# Altium PCB IIS_PCB.PcbDoc (part 3 of 3)
Units mil, origin at the board's own origin, x right, y up, seen from the top; angles counter-clockwise.
Board outline 5785 x 8565 mil, 6 copper layers (Top Layer, PWR Plane, Layer 1, Layer 2, GND Plane, Bottom Layer), stack 39 mil thick; 200 components, 151 nets, 747 pads, 194 vias.
Unrouted connection lines stored in the file: 14.
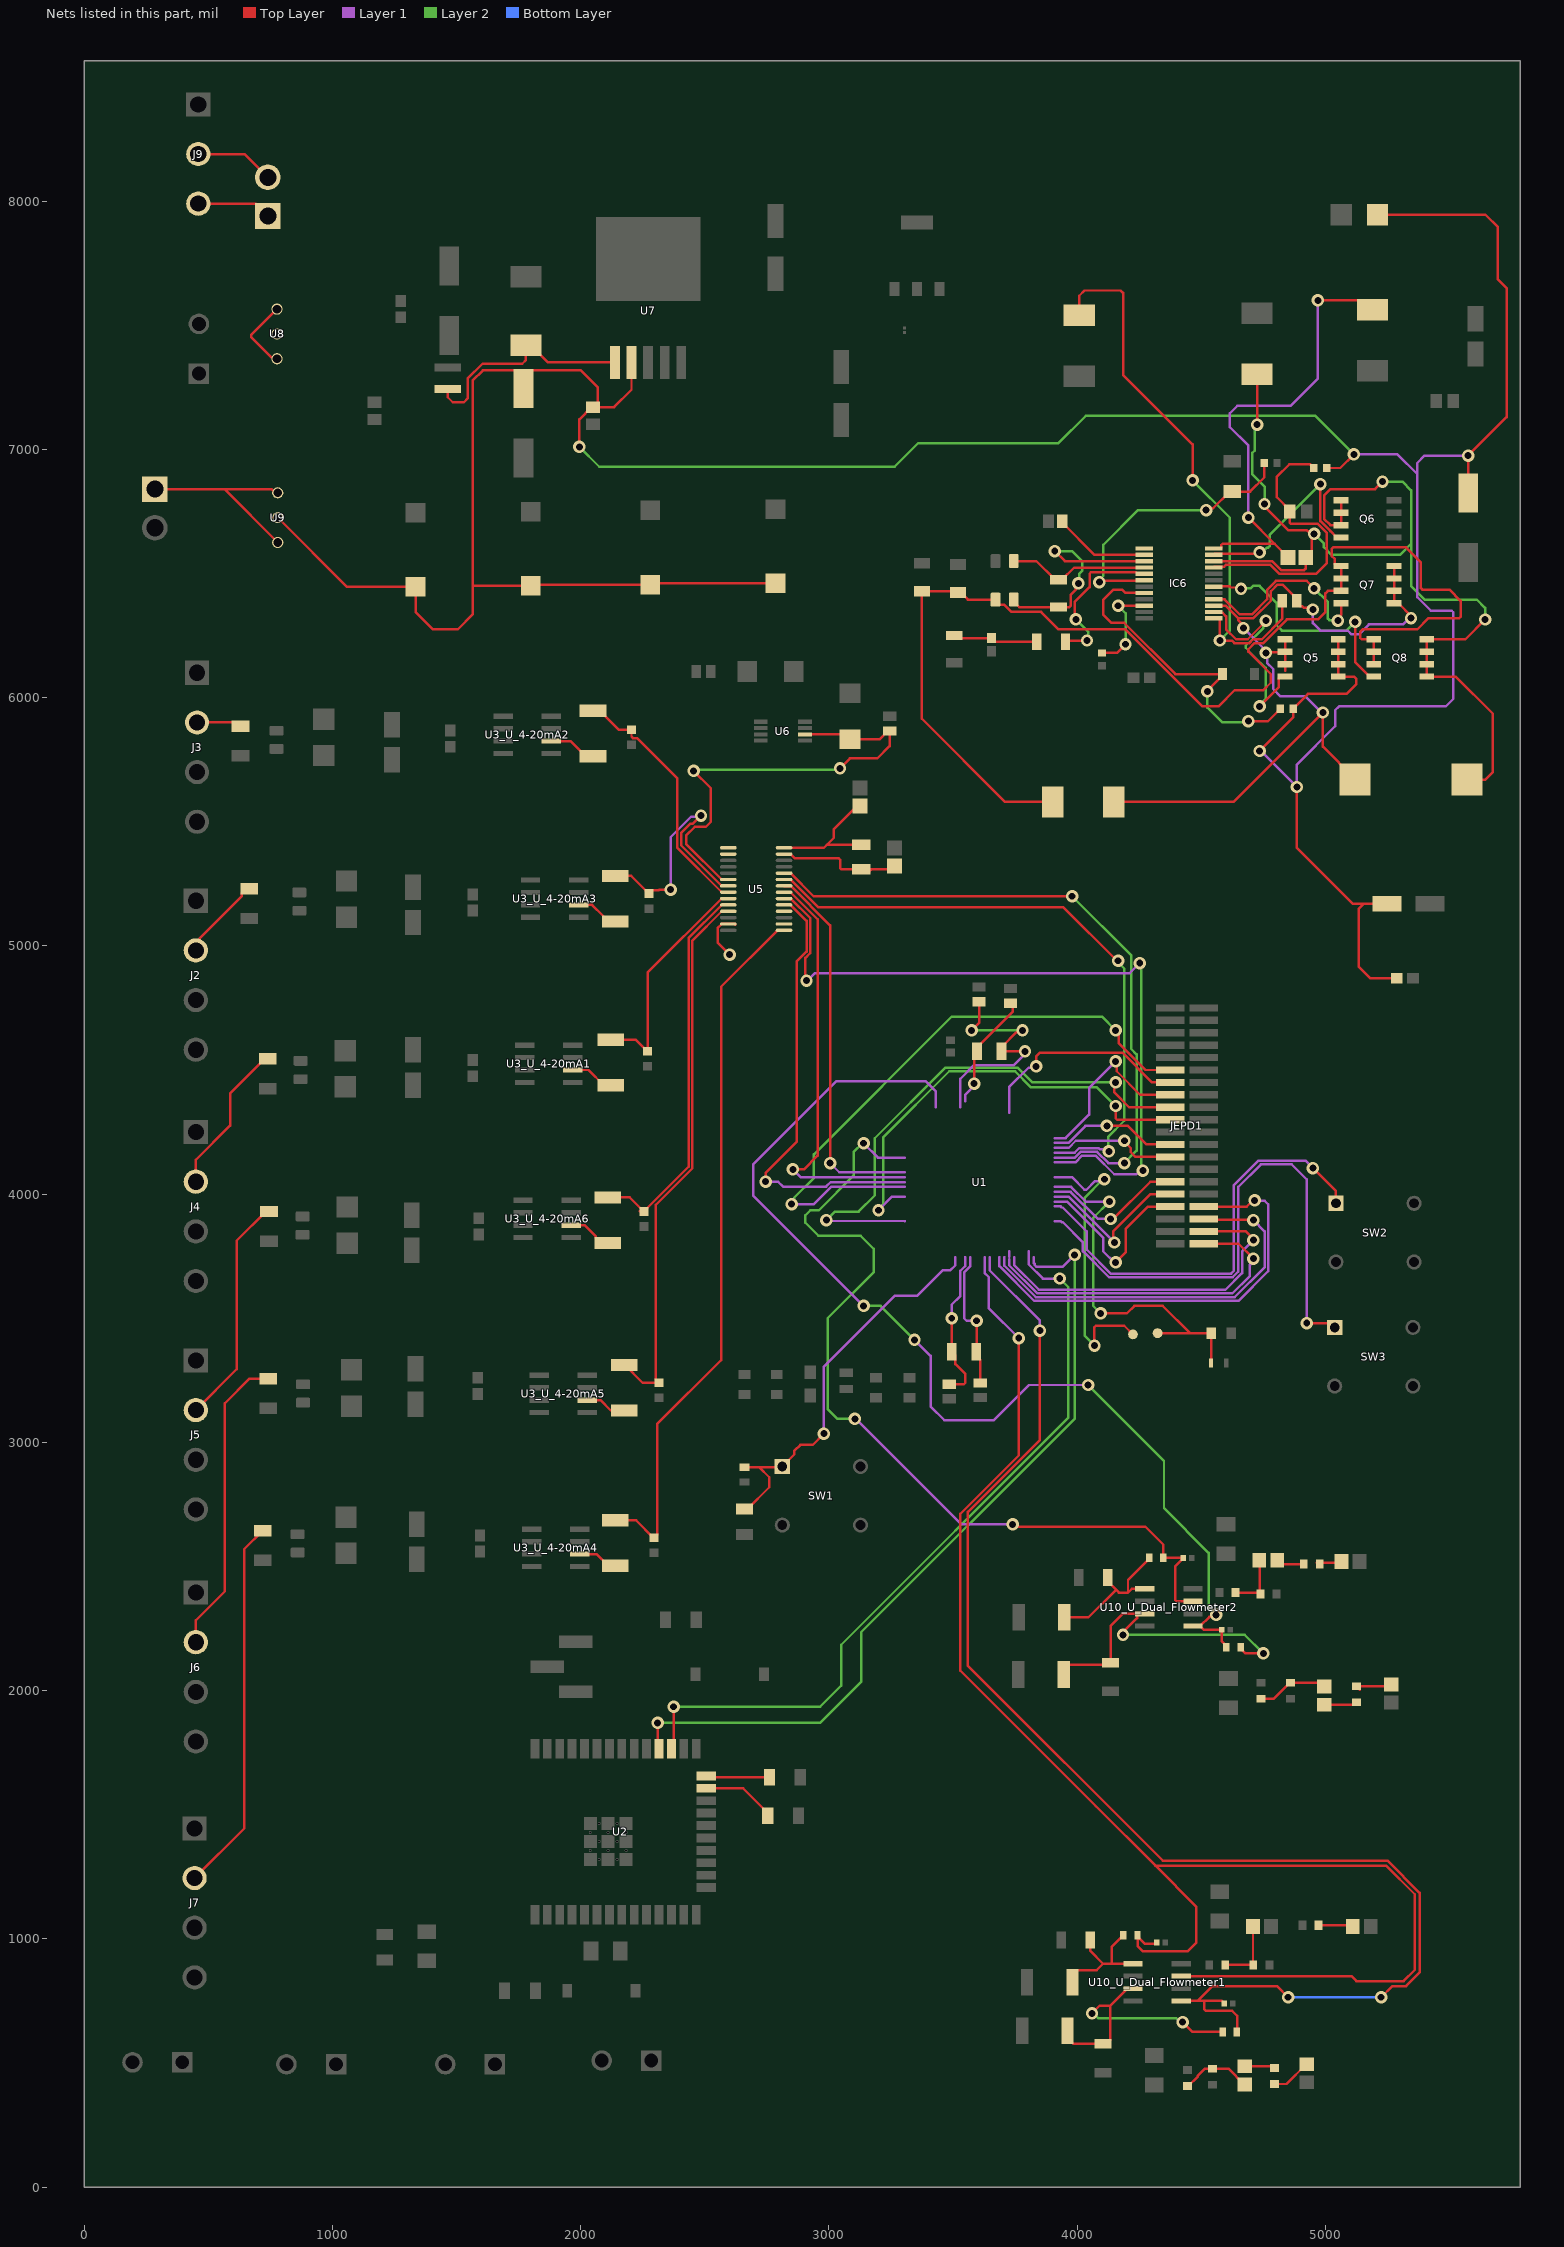
[diagram p7: the nets of this part, all layers, seen from the top]

## Via types
v1: diameter 50, hole 28, Top Layer to Bottom Layer, 194 vias

## Nets (pads, with @x,y where several pads share a name; then routed paths per layer and width w, separated by ;. In a path a pad name is that pad's centre, name@x,y a point inside that pad or via, vN(x,y) a via of type N, cw(c..) or ccw(c..) an arc to the next point about the centre after c; other vN are vias at no path point) (continued)
NetC25_U_Dual_Flowmeter1_2: C25_U_Dual_Flowmeter1.2 R20_U_Dual_Flowmeter1.2 R24_U_Dual_Flowmeter1.1 | length 268.3
  Top Layer w10: R20_U_Dual_Flowmeter1.2@4597.28,895 R24_U_Dual_Flowmeter1.1@4710,895 4708.53,896.47 C25_U_Dual_Flowmeter1.2@4708.53,1050
NetC25_U_Dual_Flowmeter2_1: C25_U_Dual_Flowmeter2.1 R21_U_Dual_Flowmeter2.1 | length 101.7
  Top Layer w10: C25_U_Dual_Flowmeter2.1@4804.65,2510 4899.29,2510 R21_U_Dual_Flowmeter2.1@4904.29,2515
NetC25_U_Dual_Flowmeter2_2: C25_U_Dual_Flowmeter2.2 R20_U_Dual_Flowmeter2.2 R24_U_Dual_Flowmeter2.1 | length 221
  Top Layer w10: R20_U_Dual_Flowmeter2.2@4636.42,2395 4735,2395 R24_U_Dual_Flowmeter2.1@4735.35,2394.65 ; C25_U_Dual_Flowmeter2.2@4735.35,2510 R24_U_Dual_Flowmeter2.1@4735.35,2394.65 ; R24_U_Dual_Flowmeter2.1@4740,2390 R24_U_Dual_Flowmeter2.1@4735.35,2394.65
NetC26_U_Dual_Flowmeter1_1: C26_U_Dual_Flowmeter1.1 R23_U_Dual_Flowmeter1.1 R25_U_Dual_Flowmeter1.1 | length 286.8
  Top Layer w10: R23_U_Dual_Flowmeter1.1@4445,407.72 4447.76,407.72 4486.44,446.4 4486.44,449.15 4514.57,477.28 R25_U_Dual_Flowmeter1.1@4545,477.28 4609.23,477.28 4672.98,413.53 C26_U_Dual_Flowmeter1.1@4675,413.53
NetC26_U_Dual_Flowmeter1_2: C26_U_Dual_Flowmeter1.2 R22_U_Dual_Flowmeter1.2 | length 122.7
  Top Layer w10: C26_U_Dual_Flowmeter1.2@4675,486.47 4788.53,486.47 R22_U_Dual_Flowmeter1.2@4795,480
NetC26_U_Dual_Flowmeter2_1: C26_U_Dual_Flowmeter2.1 R23_U_Dual_Flowmeter2.1 R25_U_Dual_Flowmeter2.1 | length 291
  Top Layer w10: R23_U_Dual_Flowmeter2.1@4738.82,1969.29 4740,1969.29 R23_U_Dual_Flowmeter2.1@4738.94,1970.35 ; R23_U_Dual_Flowmeter2.1@4740,1967.72 4792.68,1967.72 4857.24,2032.28 R25_U_Dual_Flowmeter2.1@4860,2032.28 4979.18,2032.28 C26_U_Dual_Flowmeter2.1@4995,2016.47
NetC26_U_Dual_Flowmeter2_2: C26_U_Dual_Flowmeter2.2 R22_U_Dual_Flowmeter2.2 | length 133.8
  Top Layer w10: C26_U_Dual_Flowmeter2.2@4995,1943.53 5115.82,1943.53 R22_U_Dual_Flowmeter2.2@5125,1952.72
NetC27_U_Dual_Flowmeter1_1: C27_U_Dual_Flowmeter1.1 R21_U_Dual_Flowmeter1.2 | length 139.8
  Top Layer w10: R21_U_Dual_Flowmeter1.2@4972.28,1055 5105,1055 C27_U_Dual_Flowmeter1.1@5110,1050
NetC27_U_Dual_Flowmeter2_1: C27_U_Dual_Flowmeter2.1 R21_U_Dual_Flowmeter2.2 | length 109.3
  Top Layer w10: R21_U_Dual_Flowmeter2.2@4965.71,2515 C27_U_Dual_Flowmeter2.1@5075,2515
NetC28_U_Dual_Flowmeter1_1: C28_U_Dual_Flowmeter1.1 R22_U_Dual_Flowmeter1.1 | length 163
  Top Layer w10: R22_U_Dual_Flowmeter1.1@4795,415.43 4843.42,415.43 4922.98,495 C28_U_Dual_Flowmeter1.1@4925,495
NetC28_U_Dual_Flowmeter2_1: C28_U_Dual_Flowmeter2.1 R22_U_Dual_Flowmeter2.1 | length 162.4
  Top Layer w10: R22_U_Dual_Flowmeter2.1@5125,2015.71 5126.18,2015.71 5138.31,2003.58 R22_U_Dual_Flowmeter2.1@5138.31,2002.76 ; R22_U_Dual_Flowmeter2.1@5125,2017.28 5257.28,2017.28 C28_U_Dual_Flowmeter2.1@5265,2025
NetC44_2: C44.2 IC6.21 R30.2 | length 1164.5
  Top Layer w10: IC6.21@4549.76,6523.98 4552.91,6527.12 4592.12,6527.12 4599.57,6534.57 4723.86,6534.57 4724.29,6535 4778.88,6535 4815.38,6498.51 4962.65,6498.51 5005,6540.86 5005,6664.79 4969.79,6700 4861.96,6700 4856.1,6705.86 4856.1,6756.1 4805,6807.2 4805,6890 4855,6940 4938.2,6940 4941.46,6936.73 4944.06,6936.73 4953.82,6926.97 R30.2@4953.82,6925
NetC45_1: C45.1 IC6.2 | length 388.8
  Top Layer w10: C45.1@3940.18,6710 3940.18,6705.05 4070.07,6575.16 IC6.2@4270.24,6575.16
NetC46_1: C46.1 CR6.2 IC6.24 | length 1900.1
  Top Layer w10: IC6.24@4549.76,6600.75 4576.34,6600.75 4580.2,6604.61 4580.2,6614.14 4586.05,6620 4795.55,6620 ; v1(4690,6725) 4690.55,6725 4795.55,6620 ; C46.1@4849.54,6565 4849.54,6566.02 4795.55,6620 ; v1(4970,7600) 5153,7600 CR6.2@5190,7563
  Layer 1 w10: v1(4690,6725) 4690,7015 4615,7090 4615,7145 4645,7175 4860,7175 4970,7285 v1(4970,7600)
NetC46_2: C46.2 CR7.1 IC6.22 L3.2 Q6.1 Q6.2 Q6.3 Q8.5 Q8.6 Q8.7 Q8.8 | length 4327.5
  Top Layer w10: IC6.22@4549.76,6549.57 4691.65,6549.57 4692.08,6550 4785.1,6550 4821.59,6513.51 4914.61,6513.51 4920.46,6519.37 C46.2@4920.46,6565 4945.08,6589.62 v1@4945.08,6654.92 ; CR7.1@4724.33,7302 4725,7301.33 v1(4725,7100) ; v1(4755,6780) 4755,6770 4850,6675 4925,6675 4929.22,6670.78 4933.39,6670.78 4945.08,6659.09 v1@4945.08,6654.92 ; v1(4955,6660) 4950.17,6660 v1@4945.08,6654.92 ; Q6.1@5063.23,6795 Q6.2@5063.23,6745 Q6.3@5063.23,6695 5020,6695 4995,6720 4995,6815 5020,6840 5200,6840 v1(5230,6870) ; L3.2@5570,5670 5645,5670 5675,5700 5675,5935 5525,6085 Q8.5@5408.54,6085 Q8.6@5408.54,6135 Q8.7@5408.54,6185 Q8.8@5408.54,6235 5564.13,6235 v1(5643.73,6314.6)
  Layer 2 w10: v1(4725,7100) 4717.35,7092.35 4717.35,7076.49 4715,7074.14 4715,6994.59 4705,6984.59 4705,6900 4755,6850 v1(4755,6780) ; v1(4955,6660) 4993.83,6621.17 4993.83,6606.17 5025,6575 5300,6575 5345,6620 ; v1(5230,6870) 5310,6870 5345,6835 5345,6620 ; v1(5643.73,6314.6) 5643.73,6361.27 5610,6395 5400,6395 5345,6450 5345,6620
NetC47_1: C47.1 IC6.3 R31.2 | length 951.2
  Top Layer w10: R31.2@3745,6395 3745,6386.73 3766.85,6364.88 3969.14,6364.88 3975,6370.74 3975,6415 3994.22,6434.22 3994.22,6438.39 4005,6449.18 v1(4005,6460) ; v1(3910,6590) 3950.43,6549.57 IC6.3@4270.24,6549.57
  Layer 2 w10: v1(3910,6590) 3980,6590 4020,6550 4020,6510.41 4009.59,6500 4009.59,6464.59 v1(4005,6460)
NetC47_2: C47.2 IC6.4 R34.2 | length 576.5
  Top Layer w10: R34.2@3745,6550 3835.35,6550 3910.24,6475.12 C47.2@3925,6475.12 3939.76,6475.12 3988.62,6523.98 IC6.4@4270.24,6523.98
NetC48_1: C48.1 CR8.2 IC6.15 L3.1 Q5.1 Q5.2 Q5.3 Q7.5 Q7.6 Q7.7 Q7.8 | length 3399.7
  Top Layer w10: CR8.2@4147.56,5580 4630,5580 v1(4990,5940) 4990,5802.46 5120,5672.46 L3.1@5120,5670 ; IC6.15@4549.76,6370.43 4598.35,6370.43 4648.79,6320 ; v1(4670,6280) 4670,6290.82 4648.79,6312.04 4648.79,6320 ; v1(4760,6180) 4762.5,6182.5 4835.73,6182.5 Q5.2@4838.23,6185 ; 4838.23,6107.8 Q5.3@4838.23,6135 Q5.2@4838.23,6185 ; Q5.1@4838.23,6235 Q5.2@4838.23,6185 ; v1(4950,6355) 4942.35,6362.65 4912.35,6362.65 4906.57,6368.43 4898.7,6368.43 4885,6382.13 C48.1@4885,6390 4885,6397.87 4827.87,6455 4806.92,6455 4780,6428.08 4780,6390 4710,6320 4648.79,6320 ; Q7.8@5276.77,6530 Q7.7@5276.77,6480 Q7.6@5276.77,6430 Q7.5@5276.77,6380 5294,6380 5345,6329 v1(5345,6320)
  Layer 1 w10: v1(4670,6280) 4760,6190 v1(4760,6180) 4765,6175 4765,6140 4790,6115 4790,6035 4820,6005 4920,6005 4985,5940 v1(4990,5940) ; v1(4950,6355) 4950,6300 4980,6270 5090,6270 5105,6255 5135,6255 5175,6295 5313.43,6295 5338.43,6320 v1(5345,6320)
NetC48_2: C48.2 CR9.2 IC6.13 | length 2343.3
  Top Layer w10: CR9.2@4008.66,7540 4008.66,7618.66 4030,7640 4175,7640 4185,7630 4185,7300 4465,7020 v1(4465,6875) ; IC6.13@4549.76,6319.25 4571.14,6319.25 4575,6315.39 v1(4575,6230) 4623.79,6230 4633.79,6220 4693.64,6220 4708.64,6235 4744.19,6235 4825.94,6316.76 C48.2@4825.94,6390
  Layer 2 w10: v1(4465,6875) 4615,6725 4615,6270 v1(4575,6230)
NetC49_1: C49.1 C50.1 R35.2 | length 343.4
  Top Layer w10: C49.1@3505,6250.24 3515.24,6240 C50.1@3655,6240 3655,6237.96 3667.96,6225 R35.2@3836.73,6225
NetCA1_2: CA1.2 CA3.1 U5.6 U6.6 | length 1875.4
  Top Layer w10: v1(2455,5705) 2525,5635 2525,5500 2505,5480 2460,5480 2425,5445 2425,5410.79 2568.43,5267.36 U5.6@2595,5267.36 ; U6.6@2904,5852 3065.09,5852 CA1.2@3085,5832.09 3203.74,5832.09 3237.13,5865.47 CA3.1@3245,5865.47 3245,5805 3195,5755 3085,5755 v1(3045,5715)
  Layer 2 w10: v1(2455,5705) 2460,5710 3040,5710 v1(3045,5715)
NetCA5_2: "YA 1.1" CA5.2 U5.28 | length 545.7
  Top Layer w10: U5.28@2819.41,5395.31 2979.92,5395.31 2991.65,5407.05 ; 3130,5407.05 2991.65,5407.05 ; CA5.2@3130,5580 3020,5470 3020,5435.39 2991.65,5407.05
NetCA6_2: "YA 1.2" CA6.2 U5.27 | length 544.4
  Top Layer w10: U5.27@2819.41,5369.72 2845.98,5369.72 2862.13,5353.58 3038.39,5353.58 3045,5346.98 3045,5313.81 3050.86,5307.95 3153.61,5307.95 3162.4,5299.17 3171.19,5307.95 ; 3130,5308.62 3171.19,5308.62 3191.1,5308.62 3252.2,5308.62 CA6.2@3265,5321.42
NetCF3_U_4-20mA1_1: CF3_U_4-20mA1.1 RF1_U_4-20mA1.2 U5.9 | length 932.5
  Top Layer w10: RF1_U_4-20mA1.2@2122.08,4621.54 2222.99,4621.54 2269.21,4575.31 CF3_U_4-20mA1.1@2270,4575.31 2270,4892.17 2568.43,5190.59 U5.9@2595,5190.59
NetCF3_U_4-20mA2_1: CF3_U_4-20mA2.1 RF1_U_4-20mA2.2 U5.8 | length 1027.5
  Top Layer w10: RF1_U_4-20mA2.2@2050,5946.54 2078.74,5946.54 2154.96,5870.31 CF3_U_4-20mA2.1@2205,5870.31 2205,5843.06 2210.86,5837.2 2227.45,5837.2 2390,5674.65 2390,5394.61 2568.43,5216.18 U5.8@2595,5216.18
NetCF3_U_4-20mA3_1: CF3_U_4-20mA3.1 RF1_U_4-20mA3.2 U5.7 | length 1044.9
  Top Layer w10: RF1_U_4-20mA3.2@2140,5281.54 2204.09,5281.54 2261.69,5223.94 2261.69,5223.15 2274.21,5210.63 CF3_U_4-20mA3.1@2275,5210.63 2287.52,5223.15 2314.31,5223.15 2317.92,5226.77 v1(2362.4,5226.77) ; v1(2485,5525) 2483.79,5525 2449.96,5491.17 2441.17,5491.17 2405,5455 2405,5405.2 2568.43,5241.77 U5.7@2595,5241.77
  Layer 1 w10: v1(2362.4,5226.77) 2362.4,5437.4 2445,5520 2480,5520 v1(2485,5525)
NetCF3_U_4-20mA4_1: CF3_U_4-20mA4.1 RF1_U_4-20mA4.2 U5.15 | length 2864.6
  Top Layer w10: RF1_U_4-20mA4.2@2140,2686.54 2223.31,2686.54 2294.21,2615.63 CF3_U_4-20mA4.1@2295,2615.63 2295.79,2615.63 2308.31,2628.15 2308.31,3073.31 2566.54,3331.54 2566.54,4836.34 2792.83,5062.64 U5.15@2819.41,5062.64
NetCF3_U_4-20mA5_1: CF3_U_4-20mA5.1 RF1_U_4-20mA5.2 U5.11 | length 2217.5
  Top Layer w10: RF1_U_4-20mA5.2@2150,3311.54 2178.74,3311.54 2249.96,3240.31 CF3_U_4-20mA5.1@2315,3240.31 ; CF3_U_4-20mA5.1@2303.31,3252.83 2303.31,3957.41 2450,4104.1 2450,5020.98 2568.43,5139.41 U5.11@2595,5139.41
NetCF3_U_4-20mA6_1: CF3_U_4-20mA6.1 RF1_U_4-20mA6.2 U5.10 | length 1560.6
  Top Layer w10: RF1_U_4-20mA6.2@2110,3986.54 2197.99,3986.54 2254.21,3930.31 CF3_U_4-20mA6.1@2255,3930.31 2255.79,3930.31 2268.31,3942.83 2268.31,3943.62 2435,4110.31 2435,5031.57 2568.43,5165 U5.10@2595,5165 ; CF3_U_4-20mA6.1@2239.21,3930.31 CF3_U_4-20mA6.1@2240,3930.31
NetCH1_2: CH1.2 U1.85 Y2.2 | length 619
  Top Layer w10: CH1.2@3485,3234.53 3544.14,3234.53 3550,3240.39 3550,3275 3509.69,3315.31 3509.69,3350.31 Y2.2@3495,3365 v1(3495,3500)
  Layer 1 w10: v1(3495,3500) 3495,3555 3530,3590 3530,3691.21 3548.46,3709.68 3548.46,3746.26 U1.85@3548.98,3746.77
NetCH2_2: CH2.2 U1.86 Y2.1 | length 568.7
  Top Layer w10: v1(3595,3490) 3595,3366.57 Y2.1@3593.43,3365 3593.43,3349.25 3610,3332.68 CH2.2@3610,3239.53
  Layer 1 w10: U1.86@3568.66,3746.77 3568.66,3708.66 3545,3685 3545,3500 3555,3490 v1(3595,3490)
NetCL1_2: CL1.2 U1.41 Y1.2 | length 455
  Top Layer w10: v1(3585,4445) 3585,4579.17 3740,4734.17 3740,4750
  Layer 1 w10: U1.41@3548.98,4374.13 3548.98,4399.46 3585,4435.48 v1(3585,4445)
NetCL2_2: CL2.2 U1.42 Y1.1 | length 973.5
  Top Layer w10: v1(3575,4660) 3605,4690 CL2.2@3605,4775.47 ; v1(3780,4660) 3772.35,4652.35 3756.6,4652.35 3696.45,4592.2 3696.45,4588.23 3709.69,4575 v1(3790,4575)
  Layer 1 w10: U1.42@3529.29,4350.71 3529.8,4351.22 3529.8,4464.8 3585,4520 3745,4520 3790,4565 v1(3790,4575)
  Layer 2 w10: v1(3575,4660) v1(3780,4660)
NetCR8_1: CR8.1 Q7.1 Q7.2 Q7.3 Q8.1 Q8.2 Q8.3 R31.1 R32.1 R33.1 | length 5049.1
  Top Layer w10: CR8.1@3901.56,5580 3710,5580 3375,5915 R33.1@3375,6428.9 3515,6428.9 R32.1@3520,6423.9 3530.83,6423.9 3559.72,6395 R31.1@3671.38,6395 3671.38,6389.72 3686.06,6375.04 3706.06,6375.04 3736.1,6345 3855,6345 3925,6275 4195,6275 4505,5965 4570,5965 4635,6030 4750,6030 4780,6060 4780,6095 4690,6185 4690,6195 4715,6220 4750.4,6220 4845.4,6315 4970,6315 5000,6345 5000,6420 5010,6430 Q7.3@5063.23,6430 Q7.2@5063.23,6480 Q7.1@5063.23,6530 5046,6530 5038.21,6537.8 5038.21,6557.8 5025,6571 5025,6599.14 5030.86,6605 5325,6605 5385,6545 5385,6440.86 5390.86,6435 5500,6435 5545,6390 5545,6325.86 5539.14,6320 5415,6320 5370,6275 5150,6275 5140,6265 5140,6240.86 5145.86,6235 Q8.1@5195,6235 Q8.2@5195,6185 Q8.3@5195,6135
NetD1_1: D1.1 L1.1 U7.1 | length 921
  Top Layer w10: L1.1@1465,7243.39 1465,7210 1485,7190 1530,7190 1545,7205 1545,7285 1605,7345 1765,7345 1780,7360 D1.1@1780,7420 1798.7,7420 1868.7,7350 U7.1@2138.07,7350
NetD3_1: D3.1 IC6.8 R38.2 | length 1329.4
  Top Layer w10: IC6.8@4270.24,6421.61 4194.46,6421.61 4181.08,6435 4146.21,6435 4105,6393.79 4105,6335 4138.79,6301.21 4190,6301.21 4396.21,6095 D3.1@4585.63,6095 4585.63,6088.9 4525,6028.27 v1(4525,6025) ; v1(4690,5905) 4768.82,5905 4807.09,5943.27 4809.06,5943.27 4818.82,5953.03 R38.2@4818.82,5955
  Layer 2 w10: v1(4525,6025) 4525,5960 4585,5900 4685,5900 v1(4690,5905)
NetF1_U_4-20mA1_1: F1_U_4-20mA1.1 J4.2 | length 622.5
  Top Layer w10: J4.2@450,4050 450,4138.42 587.95,4276.37 587.95,4405.59 727.2,4544.84 F1_U_4-20mA1.1@740,4544.84
NetF1_U_4-20mA2_1: F1_U_4-20mA2.1 J3.2 | length 181.3
  Top Layer w10: J3.2@455,5900 614.84,5900 F1_U_4-20mA2.1@630,5884.84
NetF1_U_4-20mA3_1: F1_U_4-20mA3.1 J2.2 | length 344.7
  Top Layer w10: J2.2@450,4981.72 466.73,4998.45 466.73,5031.57 634.17,5199.02 634.17,5211.81 652.2,5229.84 F1_U_4-20mA3.1@665,5229.84
NetF1_U_4-20mA4_1: F1_U_4-20mA4.1 J7.2 | length 1513.8
  Top Layer w10: J7.2@445,1245 645,1445 645,2569.84 F1_U_4-20mA4.1@720,2644.84
NetF1_U_4-20mA5_1: F1_U_4-20mA5.1 J6.2 | length 1202.2
  Top Layer w10: J6.2@450,2195 450,2283.42 566.49,2399.91 566.49,3157.07 666.25,3256.83 F1_U_4-20mA5.1@717.08,3256.83
NetF1_U_4-20mA6_1: F1_U_4-20mA6.1 J5.2 | length 929.7
  Top Layer w10: J5.2@450,3130 615,3295 615,3812.8 732.2,3930 F1_U_4-20mA6.1@745,3930
NetIC6_1: IC6.1
NetIC6_5: IC6.5 R35.1 | length 633.7
  Top Layer w10: R35.1@3953.27,6225 3958.27,6230 v1(4040,6230) ; v1(3995,6315) 3990,6320 3990,6385 4050,6445 4050,6499.14 4055.86,6505 4237.05,6505 4243.66,6498.39 IC6.5@4270.24,6498.39
  Layer 2 w10: v1(3995,6315) 4045.78,6264.22 4045.78,6235.78 v1(4040,6230)
NetIC6_6: IC6.6 R36.1 R37.2 | length 1159.3
  Top Layer w10: v1(4090,6465) 4095,6470 4267.44,6470 IC6.6@4270.24,6472.8 ; v1(4520,6755) 4527.65,6762.65 4547.81,6762.65 4615.16,6830 R36.1@4625,6830 4696.97,6830 4753.82,6886.85 R37.2@4753.82,6945
  Layer 2 w10: v1(4090,6465) 4090,6475.82 4105.25,6491.08 4105.25,6615.25 4245,6755 v1(4520,6755)
NetIC6_10: IC6.10 R39.1 | length 382.3
  Top Layer w10: R39.1@4100,6180 4160,6180 v1(4195,6215) ; v1(4165,6370) 4165.22,6370.22 4270.02,6370.22 IC6.10@4270.24,6370.43
  Layer 2 w10: v1(4165,6370) 4195,6340 v1(4195,6215)
NetIC6_14: IC6.14 Q5.4 | length 914.1
  Top Layer w10: IC6.14@4549.76,6344.84 4553.62,6340.98 4586.47,6340.98 4600,6327.45 4600,6275 4640,6235 4687.43,6235 4760,6307.57 v1(4760,6310) ; v1(4735,5965) 4813.21,6043.21 4813.21,6077.2 4821,6085 Q5.4@4838.23,6085
  Layer 2 w10: v1(4735,5965) 4735,5971.57 4760,5996.57 4760,6120 4679.14,6200.86 4679.14,6209.14 4749.22,6279.22 4749.22,6288.39 4760,6299.18 v1(4760,6310)
NetIC6_16: IC6.16 Q7.4 | length 784.6
  Top Layer w10: IC6.16@4549.76,6396.02 4550.13,6395.66 4594.34,6395.66 4655,6335 4703.79,6335 4765,6396.21 4765,6434.29 4800.71,6470 4925,6470 v1(4955,6440) ; v1(5050,6310) 5050,6320.82 5063.23,6334.05 Q7.4@5063.23,6380
  Layer 2 w10: v1(4955,6440) 5010,6385 5010,6318.28 5015.86,6312.43 5047.57,6312.43 v1(5050,6310)
NetIC6_18: IC6.18 Q8.4 | length 983.3
  Top Layer w10: IC6.18@4549.76,6447.2 4551.16,6448.6 4615,6448.6 4620,6443.6 4654.19,6443.6 v1(4660,6437.8) ; v1(5120,6305) 5120,6142.78 5177.78,6085 Q8.4@5195,6085
  Layer 2 w10: v1(4660,6437.8) 4663.19,6440.99 4700,6440.99 4709.01,6450 4735,6450 4803.42,6381.58 4803.42,6291.58 4825,6270 5085,6270 v1(5120,6305)
NetIC6_23: IC6.23 Q6.4 | length 834.1
  Top Layer w10: IC6.23@4549.76,6575.16 4553.62,6579.02 4729.02,6579.02 v1(4735,6585) ; v1(4980,6860) 4980,6711 5020,6671 5046,6645 Q6.4@5063.23,6645
  Layer 2 w10: v1(4735,6585) 4745.82,6585 4765.08,6604.26 4769.26,6604.26 4776.33,6611.33 4776.33,6656.33 v1(4980,6860)
NetJ8_1: J8.1 J9.3 | length 300.6
  Top Layer w10: J9.3@460,7989.68 690.32,7989.68 J8.1@740,7940
NetJ8_2: J8.2 J9.2 | length 318.8
  Top Layer w10: J9.2@460,8189.68 646.23,8189.68 J8.2@740,8095.91
NetJ10_1: J10.1 U9.1 U9.3 | length 819.4
  Top Layer w10: J10.1@275,6854.09 J10.1@285,6844.09 ; J10.1@285,6840 565,6840 ; U9.3@780,6625 565,6840 ; U9.1@780,6825 770.53,6825 755.53,6840 565,6840
NetJEPD1_11: JEPD1.11 U1.64 | length 2469.3
  Top Layer w10: v1(4155,4660) 4155,4649.18 4166.81,4637.37 4166.81,4608.19 4275,4500 JEPD1.11@4344.96,4500
  Layer 1 w10: v1(2850,3960) 2940,3960 3009.06,4029.06 U1.64@3306.06,4029.06
  Layer 2 w10: v1(2850,3960) 2850,3970.82 2860.78,3981.61 2860.78,3985.78 2940,4065 2940,4160 3495,4715 4100,4715 v1(4155,4660)
NetJEPD1_13: JEPD1.13 U1.32 | length 853.3
  Top Layer w10: v1(3835,4515) 3835,4555 3850,4570 4182.05,4570 4302.05,4450 JEPD1.13@4344.96,4450
  Layer 1 w10: U1.32@3726.14,4327.28 U1.32@3726.14,4350.71 3726.14,4431.14 3804.22,4509.22 3829.22,4509.22 v1(3835,4515)
NetJEPD1_15: JEPD1.15 U1.22 | length 703
  Top Layer w10: v1(4155,4535) 4159.5,4530.5 4159.5,4495 4254.5,4400 JEPD1.15@4344.96,4400
  Layer 1 w10: U1.22@3910,4225.91 3953.94,4225.91 4048.14,4320.11 4048.14,4428.14 v1(4155,4535)
NetJEPD1_17: JEPD1.17 U1.71 | length 2159.1
  Top Layer w10: v1(4155,4450) 4150,4445 4150,4409.5 4209.5,4350 JEPD1.17@4344.96,4350
  Layer 1 w10: v1(2990,3895) 2993.23,3891.77 3305.55,3891.77 U1.71@3306.06,3891.26
  Layer 2 w10: v1(2990,3895) 3025,3930 3120,3930 3185,3995 3185,4225 3470,4510 3760,4510 3820,4450 v1(4155,4450)
NetJEPD1_19: JEPD1.19 U1.66 | length 1776.3
  Top Layer w10: v1(4155,4355) 4155,4305.86 4160.86,4300 JEPD1.19@4344.96,4300
  Layer 1 w10: v1(3200,3935) 3254.69,3989.69 U1.66@3306.06,3989.69
  Layer 2 w10: v1(3200,3935) 3200,3940.86 3220,3960.86 3220,4230 3485,4495 3750,4495 3815,4430 4080,4430 v1(4155,4355)
NetJEPD1_23: JEPD1.23 U1.21 | length 494.5
  Top Layer w10: v1(4120,4275) 4205,4275 4280,4200 JEPD1.23@4344.96,4200
  Layer 1 w10: U1.21@3910,4206.22 3964.64,4206.22 4033.42,4275 v1(4120,4275)
NetJEPD1_25: JEPD1.25 U1.20 | length 485.4
  Top Layer w10: v1(4190,4215) 4190,4211.09 4216.33,4184.76 4216.33,4168.67 4235,4150 JEPD1.25@4344.96,4150
  Layer 1 w10: U1.20@3910,4186.54 3966.17,4186.54 3994.63,4215 v1(4190,4215)
NetJEPD1_29: JEPD1.29 U1.11 | length 542.4
  Top Layer w10: v1(4135,3900) 4145,3900 4295,4050 JEPD1.29@4344.96,4050
  Layer 1 w10: U1.11@3910,4009.37 3974.16,4009.37 4083.53,3900 v1(4135,3900)
NetJEPD1_31: JEPD1.31 U1.10 | length 625.7
  Top Layer w10: v1(4150,3805) 4145,3810 4145,3850 4295,4000 JEPD1.31@4344.96,4000
  Layer 1 w10: U1.10@3910,3989.69 3965.31,3989.69 v1(4150,3805)
NetJEPD1_33: JEPD1.33 U1.9 | length 717.5
  Top Layer w10: v1(4155,3725) 4195,3765 4195,3860 4285,3950 JEPD1.33@4344.96,3950
  Layer 1 w10: U1.9@3910,3970 3960,3970 4105,3825 4105,3770 4150,3725 v1(4155,3725)
NetJEPD1_34: JEPD1.34 U1.92 | length 1803
  Top Layer w10: JEPD1.34@4480,3950 4683.43,3950 4708.43,3975 v1(4715,3975)
  Layer 1 w10: U1.92@3686.77,3746.77 3687.28,3746.26 3687.28,3710.09 3827.38,3570 4650,3570 4770,3690 4770,3958.43 4755,3973.43 4716.57,3973.43 v1(4715,3975)
NetJEPD1_36: JEPD1.36 U1.93 | length 1626.3
  Top Layer w10: JEPD1.36@4480,3900 4482.5,3897.5 4707.5,3897.5 v1(4710,3895)
  Layer 1 w10: U1.93@3706.46,3746.77 3706.97,3746.26 3706.97,3711.62 3833.59,3585 4635,3585 4755,3705 4755,3850 v1(4710,3895)
NetJEPD1_38: JEPD1.38 U1.95 | length 1418.7
  Top Layer w10: JEPD1.38@4480,3850 4680,3850 4710,3820 v1(4710,3815)
  Layer 1 w10: U1.95@3745.83,3746.77 3746.34,3746.26 3746.34,3714.68 3846.02,3615 4597.43,3615 4664.28,3681.85 4664.28,3769.28 v1(4710,3815)
NetR4_1: R4.1 U2.24 | length 257.8
  Top Layer w10: U2.24@2505.22,1656.61 2510.57,1651.26 R4.1@2760.85,1651.26
NetR5_1: R5.1 U2.23 | length 300.7
  Top Layer w10: U2.23@2505.22,1606.61 2654.31,1606.61 2753.84,1507.09 R5.1@2753.84,1496.26
NetR16_U_Dual_Flowmeter1_2: R16_U_Dual_Flowmeter1.2 R18_U_Dual_Flowmeter1.2 R19_U_Dual_Flowmeter1.1 U10_U_Dual_Flowmeter1.1 | length 542
  Top Layer w10: R18_U_Dual_Flowmeter1.2@3981.54,825 3981.54,853.74 4001.34,873.54 4078.54,873.54 4105,900 ; R16_U_Dual_Flowmeter1.2@4053.27,995 4053.27,951.73 4105,900 ; R19_U_Dual_Flowmeter1.1@4186.46,1015 4140,968.54 4140,900 ; U10_U_Dual_Flowmeter1.1@4225,900 4140,900 ; 4105,900 4140,900
NetR16_U_Dual_Flowmeter2_2: R16_U_Dual_Flowmeter2.2 R18_U_Dual_Flowmeter2.2 R19_U_Dual_Flowmeter2.1 U10_U_Dual_Flowmeter2.1 | length 617.6
  Top Layer w10: R18_U_Dual_Flowmeter2.2@3948.07,2295 4045,2295 4155.95,2405.95 ; R16_U_Dual_Flowmeter2.2@4123.27,2440.04 4156.65,2406.65 4168.31,2395 4205,2395 ; R16_U_Dual_Flowmeter2.2@4123.27,2441.04 R16_U_Dual_Flowmeter2.2@4123.27,2455 ; U10_U_Dual_Flowmeter2.1@4273,2410 4220,2410 4205,2395 ; R19_U_Dual_Flowmeter2.1@4290,2535 4290,2530.08 4205,2445.08 4205,2395
NetR17_U_Dual_Flowmeter1_2: R17_U_Dual_Flowmeter1.2 R19_U_Dual_Flowmeter1.2 U1.89 U10_U_Dual_Flowmeter1.7 | length 6071.1
  Top Layer w10: v1(3765,3420) 3765,2947.5 3530,2712.5 3530,2080 4075,1535 4315,1295 ; R19_U_Dual_Flowmeter1.2@4243.54,1015 R19_U_Dual_Flowmeter1.2@4243.54,1010.08 ; R17_U_Dual_Flowmeter1.2@4320.98,985 4315.98,980 4273.62,980 R19_U_Dual_Flowmeter1.2@4243.54,1010.08 ; U10_U_Dual_Flowmeter1.7@4419,850 5105,850 5125,830 5315,830 5360,875 5360,1180 5245,1295 4315,1295 ; R19_U_Dual_Flowmeter1.2@4243.54,1010.08 4243.54,971.46 4265,950 4445,950 4480.86,985.86 4480.86,1129.14 4315,1295
  Layer 1 w10: U1.89@3627.72,3746.77 3627.72,3682.28 3645,3665 3645,3540 v1(3765,3420)
NetR17_U_Dual_Flowmeter2_2: R17_U_Dual_Flowmeter2.2 R19_U_Dual_Flowmeter2.2 U1.58 U10_U_Dual_Flowmeter2.7 | length 3639.8
  Top Layer w10: v1(3740,2670) 3747.65,2662.35 3763.51,2662.35 3765.86,2660 4275,2660 4347.09,2587.91 R19_U_Dual_Flowmeter2.2@4347.09,2535 R17_U_Dual_Flowmeter2.2@4427.99,2535 4427.99,2533.82 4395,2500.83 4395,2365.86 4400.86,2360 U10_U_Dual_Flowmeter2.7@4467,2360
  Layer 1 w10: v1(3105,3095) 3110,3095 3535,2670 v1(3740,2670) ; v1(3140,4205) 3197.83,4147.17 U1.58@3306.06,4147.17
  Layer 2 w10: v1(3105,3095) 3035,3095 2995,3135 2995,3500 3180,3685 3180,3780 3127.5,3832.5 2958,3832.5 2905,3885.5 2905,3914.5 2925.5,3935 2959.5,3935 3100,4075.5 3100,4170 3135,4205 v1(3140,4205)
NetR26_U_Dual_Flowmeter1_1: R26_U_Dual_Flowmeter1.1 R27_U_Dual_Flowmeter1.2 R29_U_Dual_Flowmeter1.2 U10_U_Dual_Flowmeter1.3 | length 1122.8
  Top Layer w10: R26_U_Dual_Flowmeter1.1@3961.54,630 3961.54,601.26 3984.53,578.27 R29_U_Dual_Flowmeter1.2@4105,578.27 4119.96,578.27 4134.06,592.36 4134.06,731.1 ; v1(4060,700) 4091.1,731.1 4134.06,731.1 ; U10_U_Dual_Flowmeter1.3@4225,800 4202.95,800 4134.06,731.1 ; v1(4425,665) 4465,625 R27_U_Dual_Flowmeter1.2@4590,625
  Layer 2 w10: v1(4060,700) 4065.86,700 4085.86,680 4399.18,680 4414.18,665 v1(4425,665)
NetR26_U_Dual_Flowmeter2_1: R26_U_Dual_Flowmeter2.1 R27_U_Dual_Flowmeter2.2 R29_U_Dual_Flowmeter2.2 U10_U_Dual_Flowmeter2.3 | length 1308.9
  Top Layer w10: R26_U_Dual_Flowmeter2.1@3946.54,2105 4126.73,2105 R29_U_Dual_Flowmeter2.2@4135,2113.27 4135,2260 4185,2310 U10_U_Dual_Flowmeter2.3@4247.28,2310 ; v1(4185,2225) 4185,2235.64 4241.78,2292.43 4241.78,2304.5 U10_U_Dual_Flowmeter2.3@4247.28,2310 ; U10_U_Dual_Flowmeter2.3@4273,2310 U10_U_Dual_Flowmeter2.3@4247.28,2310 ; R27_U_Dual_Flowmeter2.2@4658.54,2175 4658.54,2170.08 4678.62,2150 v1(4750,2150)
  Layer 2 w10: v1(4185,2225) 4675,2225 v1(4750,2150)
NetR27_U_Dual_Flowmeter1_1: R27_U_Dual_Flowmeter1.1 R28_U_Dual_Flowmeter1.2 U1.90 U10_U_Dual_Flowmeter1.5 | length 5771.6
  Top Layer w10: v1(3850,3450) 3850,3010 3560,2720 3560,2100 4345,1315 5250,1315 5380,1185 5380,865 5325,810 5270,810 v1(5225,765) ; U10_U_Dual_Flowmeter1.5@4419,750 4485,750 ; R28_U_Dual_Flowmeter1.2@4592.99,740 4592.99,741.18 4587.36,746.81 4586.18,746.81 4582.99,750 4512.99,750 ; R27_U_Dual_Flowmeter1.1@4645,623.8 4645,690 4625,710 4518.85,710 4512.99,715.86 4512.99,750 ; v1(4850,765) 4805,810 4545,810 4485,750 ; 4485,750 4512.99,750
  Layer 1 w10: U1.90@3647.4,3746.77 3647.4,3693.38 3850,3490.79 v1(3850,3450)
  Bottom Layer w10: v1(4850,765) v1(5225,765)
NetR27_U_Dual_Flowmeter2_1: R27_U_Dual_Flowmeter2.1 R28_U_Dual_Flowmeter2.2 U1.47 U10_U_Dual_Flowmeter2.5 | length 4404.3
  Top Layer w10: U10_U_Dual_Flowmeter2.5@4467,2260 U10_U_Dual_Flowmeter2.5@4495.5,2260 ; v1(4560,2305) 4552.35,2297.35 4532.85,2297.35 U10_U_Dual_Flowmeter2.5@4495.5,2260 ; R27_U_Dual_Flowmeter2.1@4601.46,2175 4601.46,2179.92 4582.99,2198.39 R28_U_Dual_Flowmeter2.2@4582.99,2245 4510.5,2245 U10_U_Dual_Flowmeter2.5@4495.5,2260
  Layer 1 w10: v1(3140,3550) 2695,3995 2695,4120 3030,4455 3390,4455 3430.87,4414.13 U1.47@3430.87,4350.71 ; v1(3345.05,3413.18) 3410,3348.23 3410,3145 3465,3090 3665,3090 3806.12,3231.12 v1(4044.18,3231.12)
  Layer 2 w10: v1(3140,3550) 3208.23,3550 v1(3345.05,3413.18) ; v1(4044.18,3231.12) 4350,2925.3 4350,2735 4530,2555 4530,2335 v1(4560,2305)
NetRF1_U_4-20mA1_1: RF1_U_4-20mA1.1 U3_U_4-20mA1.6 | length 178.5
  Top Layer w10: U3_U_4-20mA1.6@1969.08,4500 2031.8,4500 2093.34,4438.46 RF1_U_4-20mA1.1@2122.08,4438.46
NetRF1_U_4-20mA2_1: RF1_U_4-20mA2.1 U3_U_4-20mA2.6 | length 193.5
  Top Layer w10: U3_U_4-20mA2.6@1882,5825 1959.72,5825 2021.26,5763.46 RF1_U_4-20mA2.1@2050,5763.46
NetRF1_U_4-20mA3_1: RF1_U_4-20mA3.1 U3_U_4-20mA3.6 | length 176.3
  Top Layer w10: U3_U_4-20mA3.6@1992,5165 2046,5165 2091.46,5119.54 2091.46,5118.27 2111.26,5098.46 RF1_U_4-20mA3.1@2140,5098.46
NetRF1_U_4-20mA4_1: RF1_U_4-20mA4.1 U3_U_4-20mA4.6 | length 162.3
  Top Layer w10: U3_U_4-20mA4.6@1997,2550 2064.72,2550 2111.26,2503.46 RF1_U_4-20mA4.1@2140,2503.46
NetRF1_U_4-20mA5_1: RF1_U_4-20mA5.1 U3_U_4-20mA5.6 | length 165.2
  Top Layer w10: U3_U_4-20mA5.6@2002,3170 2079.72,3170 2121.26,3128.46 RF1_U_4-20mA5.1@2150,3128.46
NetRF1_U_4-20mA6_1: RF1_U_4-20mA6.1 U3_U_4-20mA6.6 | length 181.3
  Top Layer w10: U3_U_4-20mA6.6@1962,3875 2016,3875 2061.46,3829.54 2061.46,3823.27 2081.26,3803.46 RF1_U_4-20mA6.1@2110,3803.46
NetSW2_a: SW2.a U1.8 | length 1778.2
  Top Layer w10: v1(4950,4105) 5042.52,4012.48 SW2.a@5042.52,3963.11
  Layer 1 w10: U1.8@3910,3950.31 3933.43,3950.31 3937.6,3946.14 3942.27,3946.14 4038.64,3849.78 4038.64,3776.36 4135,3680 4620,3680 4631.21,3691.21 4631.21,4036.21 4730,4135 4920,4135 v1(4950,4105)
NetSW3_a: SW3.a U1.5 | length 2241.9
  Top Layer w10: v1(4925,3480) 5020.63,3480 SW3.a@5037.52,3463.11
  Layer 1 w10: U1.5@3910,3891.26 3933.43,3891.26 3937.6,3887.09 3942.27,3887.09 4023.64,3805.72 4023.64,3770.86 4025,3769.5 4025,3768.79 4128.79,3665 4626.21,3665 4649.28,3688.07 4649.28,4029.28 4740,4120 4864.42,4120 4925,4059.42 v1(4925,3480)
NetU1_1: U1.1
NetU1_2: U1.2
NetU1_17: U1.17 U5.20 | length 3015.1
  Top Layer w10: U5.20@2819.41,5190.59 2845.98,5190.59 2925,5111.57 2925,4970.86 2905.82,4951.68 2905.82,4864.18 v1(2910,4860)
  Layer 1 w10: v1(2910,4860) 2913.64,4860 2943.64,4890 4212.1,4890 v1(4252.33,4930.23) ; U1.17@3910,4127.48 3992.98,4127.48 4020.5,4155 4074.5,4155 4149.5,4080 4239.18,4080 4254.18,4095 v1(4265,4095)
  Layer 2 w10: v1(4252.33,4930.23) 4258.66,4923.89 4258.66,4101.34 v1(4265,4095)
NetU1_18: U1.18 U5.24 | length 2711.6
  Top Layer w10: U5.24@2820.13,5292.23 U5.24@2819.41,5292.95 2845.98,5292.95 2938.94,5200 v1(3980,5200)
  Layer 1 w10: U1.18@3910,4147.17 3991.45,4147.17 4014.29,4170 4080.71,4170 4125.71,4125 v1(4190,4125)
  Layer 2 w10: v1(3980,5200) 4217.33,4962.67 4217.33,4585.43 4240,4562.75 4240,4175 v1(4190,4125)
NetU1_19: U1.19 U5.23 | length 2517.2
  Top Layer w10: U5.23@2819.41,5267.36 2845.98,5267.36 2958.35,5155 3945,5155 4160,4940 v1(4165,4940)
  Layer 1 w10: U1.19@3910,4166.85 3989.93,4166.85 4008.08,4185 4086.92,4185 4091.67,4180.26 4119.95,4180.26 v1(4127.6,4172.6)
  Layer 2 w10: v1(4127.6,4172.6) 4125,4175.21 4125,4230.5 4190,4295.5 4190,4908.43 4165,4933.43 v1(4165,4940)
NetU1_24: U1.24
NetU1_25: U1.25
NetU1_27: U1.27
NetU1_30: U1.30
NetU1_46: U1.46
NetU1_48: U1.48
NetU1_49: U1.49
NetU1_50: U1.50
NetU1_51: U1.51
NetU1_52: U1.52
NetU1_53: U1.53
NetU1_61: U1.61 U5.22 | length 1525.6
  Top Layer w10: U5.22@2819.41,5241.77 2820.64,5240.54 2847.22,5240.54 3005,5082.76 v1(3005,4125)
  Layer 1 w10: v1(3005,4125) 3041.89,4088.11 U1.61@3306.06,4088.11
NetU1_62: U1.62 U5.21 | length 1719.8
  Top Layer w10: U5.21@2819.41,5216.18 2845.98,5216.18 2955,5107.17 2955,4155 2900,4100 v1(2855,4100)
  Layer 1 w10: v1(2855,4100) 2886.57,4068.43 U1.62@3306.06,4068.43
NetU1_63: U1.63 U5.19 | length 1813.5
  Top Layer w10: v1(2745,4050) 2745,4085 2870,4210 2870,4937.07 2910,4977.07 2910,5100.98 2845.98,5165 U5.19@2819.41,5165
  Layer 1 w10: v1(2745,4050) 2795.82,4050 2815.82,4030 2988.79,4030 3007.53,4048.74 U1.63@3306.06,4048.74
NetU1_76: U1.76
NetU1_77: U1.77
NetU1_88: U1.88
NetU1_97: U1.97
NetU1_98: U1.98 U2.27 | length 3136
  Top Layer w10: U2.27@2360.85,1771.26 U2.27@2365.85,1766.26 2375,1775.41 v1(2375,1935)
  Layer 1 w10: U1.98@3804.88,3770.2 U1.98@3804.88,3746.77 3805.39,3746.26 3805.39,3716.63 3862.03,3660 v1(3930,3660) v1@3937.65,3667.65
  Layer 2 w10: v1(2375,1935) 2965,1935 3050,2020 3050,2185 3965,3100 3965,3625 v1(3930,3660)
NetU1_99: U1.99 U2.28 | length 3288.3
  Top Layer w10: v1(2310,1870) 2310,1772.11 U2.28@2315.85,1766.26
  Layer 1 w10: U1.99@3824.57,3746.77 3824.57,3723.35 3828.74,3719.17 3828.74,3714.5 3835.41,3707.83 3942.83,3707.83 v1(3990,3755)
  Layer 2 w10: v1(2310,1870) 2965,1870 3130,2035 3130,2235 3990,3095 v1(3990,3755)
NetU1_100: U1.100
NetU5_1: U5.1
NetU5_2: U5.2
NetU5_13: U5.13 | length 207.2
  Top Layer w10: v1(2600,4965) 2551.54,5013.46 2551.54,5071.34 2568.43,5088.23 U5.13@2595,5088.23 2620.55,5088.23 2623.46,5085.32 U5.13@2623.46,5084.63
NetU5_16: U5.16
NetU5_18: U5.18
NetU8_1: U8.1 U8.3 | length 296.7
  Top Layer w10: U8.3@777.18,7365 770.48,7371.7 753.2,7371.7 672.68,7452.22 672.68,7460.5 U8.1@777.18,7565
RST: C6.2 R1.1 SW1.a U1.83 | length 1651.3
  Top Layer w10: C6.2@2631.54,2733.81 2635.02,2730.32 C6.2@2635.02,2716.18 ; C6.2@2648.19,2731.18 C6.2@2660,2731.18 2671.81,2731.18 2760,2819.37 2760,2859.53 2720,2899.53 ; R1.1@2659.53,2900 R1.1@2660,2899.53 2720,2899.53 ; v1(2980,3035) 2935,2990 2885,2990 2861.52,2966.52 2861.52,2952.11 SW1.a@2812.52,2903.11 2808.94,2899.53 2720,2899.53
  Layer 1 w10: v1(2980,3035) 2980,3305 3265,3590 3355,3590 3457.83,3692.83 3488.66,3692.83 3509.09,3713.27 3509.09,3746.26 U1.83@3509.61,3746.77
TMS_SWDIO: JEPD1.40 U1.94 | length 1424.1
  Top Layer w10: JEPD1.40@4480,3800 4650,3800 v1(4710,3740)
  Layer 1 w10: U1.94@3726.14,3738.4 3726.65,3737.88 3726.65,3713.15 3839.8,3600 4624.97,3600 4695.83,3670.86 4695.83,3715.01 4710,3729.18 v1(4710,3740) ; U1.94@3726.14,3746.77 U1.94@3726.14,3770.2
VCORE: "L VSW1.2" CU1.1 CU2.2 U1.12 | length 1486.9
  Top Layer w10: v1(4095,3520) 4200.37,3520 4230.37,3550 4344.92,3550 4455,3439.92 ; 4324.41,3439.92 4455,3439.92 ; CU2.2@4539.49,3320 4539.49,3439.84 4539.57,3439.92 4455,3439.92
  Layer 1 w10: U1.12@3910,4029.06 3975.69,4029.06 4034.75,3970 v1(4130,3970)
  Layer 2 w10: v1(4095,3520) 4065,3550 4065,3905 v1(4130,3970)
Vin: C16.1 C17.1 C18.1 C24.1 C31.1 C32.1 C33.1 C34.1 C41.2 CR5.1 Q5.5 Q5.6 Q5.7 Q5.8 R30.1 R38.1 U7.2 U8.2 U9.2 | length 14049.3
  Top Layer w10: U9.2@780,6725 1059.21,6445.79 C34.1@1335,6445.79 1335,6345 1405,6275 1505,6275 1565,6335 1565,6450.39 ; C17.1@1770,7244.76 C17.1@1770,7284.13 ; v1(1995,7010) 1995,7121.1 2043.9,7170 C16.1@2050,7170 ; U7.2@2205,7350 2205,7240 2135,7170 C16.1@2050,7170 ; C31.1@2785,6460.39 2285,6460.39 C32.1@2280,6455.39 1805,6455.39 C33.1@1800,6450.39 1565,6450.39 ; v1(4735,5785) 4870,5920 R38.1@4870,5955 4870,5956.97 4879.76,5966.73 4881.73,5966.73 4930,6015 5085,6015 5125,6055 5125,6075 5115,6085 Q5.5@5051.77,6085 Q5.6@5051.77,6135 Q5.7@5051.77,6185 Q5.8@5051.77,6235 ; v1(4885,5640) 4885,5395 5110,5170 5155,5170 ; R30.1@5005,6925 5060,6925 v1(5115,6980) ; CR5.1@5210,7945 5645,7945 5695,7895 5695,7685 5730,7650 5730,7130 v1(5575,6975) C41.2@5575,6824.53 ; C24.1@5248.39,5170 5155,5170 ; C18.1@5287.49,4870 5180,4870 5135,4915 5135,5150 5155,5170 ; 1565,6450.39 1565,7277.01 1606.5,7318.5 1735.63,7318.5 C17.1@1770,7284.13 ; C17.1@1770,7284.13 1804.37,7318.5 2001.5,7318.5 2070,7250 2070,7187.83 2052.17,7170 C16.1@2050,7170
  Layer 1 w10: v1(4735,5785) 4740,5785 v1(4885,5640) 4885,5730 5040,5885 5040,5950 5055,5965 5485,5965 5515,5995 5515,6344.14 5509.14,6350 5425,6350 5370,6405 5370,6900 ; v1(5115,6980) 5290,6980 5370,6900 ; v1(5575,6975) 5400,6975 5370,6945 5370,6900
  Layer 2 w10: v1(1995,7010) 2075,6930 3265,6930 3360,7025 3925,7025 4035,7135 4960,7135 v1(5115,6980)
VSW: "L VSW1.1" U1.14 | length 1207.2
  Top Layer w10: v1(4070,3390) 4070,3464.14 4075.86,3470 4190,3470 4225,3435
  Layer 1 w10: U1.14@3910,4068.43 3978.75,4068.43 4029.44,4017.73 4037.73,4017.73 4072.35,4052.35 4102.35,4052.35 v1(4110,4060)
  Layer 2 w10: v1(4070,3390) 4030,3430 4030,3985 4105,4060 v1(4110,4060)
pads on no net: "JP 1.1" "JP 1.2" J11.1 J11.2 J12.1 J12.2 J13.1 J13.2 J14.1 J14.2 JEPD1.01 JEPD1.02 JEPD1.03 JEPD1.04 JEPD1.05 JEPD1.06 JEPD1.07 JEPD1.08 JEPD1.09 JEPD1.10 JEPD1.12 JEPD1.14 JEPD1.16 JEPD1.18 JEPD1.20 JEPD1.21 JEPD1.22 JEPD1.24 JEPD1.26 JEPD1.27 JEPD1.28 JEPD1.30 JEPD1.32 JEPD1.35 JEPD1.37 JEPD1.39 U1.4 U1.6 U1.7 U1.16 U1.23 U1.26 U1.28 U1.29 U1.31 U1.33 U1.34 U1.35 U1.36 U1.37 U1.38 U1.39 U1.43 U1.54 U1.55 U1.56 U1.57 U1.59 U1.60 U1.65 U1.67 U1.68 U1.69 U1.70 U1.74 U1.75 U1.78 U1.79 U1.80 U1.81 U1.91 U1.96 U2.4 U2.5 U2.6 U2.7 U2.8 U2.9 U2.10 U2.11 U2.12 U2.13 U2.14 U2.16 U2.17 U2.18 U2.19 U2.20 U2.21 U2.22 U2.26 U2.29 U2.30 U2.31 U2.32 U2.33 U2.36 U2.37 U3_U_4-20mA1.5 U3_U_4-20mA1.8 U3_U_4-20mA2.5 U3_U_4-20mA2.8 U3_U_4-20mA3.5 U3_U_4-20mA3.8 U3_U_4-20mA4.5 U3_U_4-20mA4.8 U3_U_4-20mA5.5 U3_U_4-20mA5.8 U3_U_4-20mA6.5 U3_U_4-20mA6.8 U5.14 U6.1

## Polygon pours and split planes (outlines as drawn)
24V0 on PWR Plane (split plane): 864.9,6156.68 864.9,1230 864.9,20.1 20.1,20.1 20.1,6459.9 561.68,6459.9
3V3 on PWR Plane (split plane): 5764.9,20.1 905.1,20.1 905.1,1221.68 2244.21,2560.79 2246.71,2563.83 2248.57,2567.31 2249.71,2571.08 2250.1,2575 2250.1,5346.68 2683.32,5779.9 5764.9,5779.9
A5V0 on PWR Plane (split plane): 5764.9,5820.1 2675,5820.1 2671.08,5819.71 2667.31,5818.57 2663.83,5816.71 2660.79,5814.21 2215.79,5369.21 2213.29,5366.17 2211.43,5362.69 2210.29,5358.92 2209.9,5355 2209.9,2583.32 905.1,1278.52 905.1,6165 904.71,6168.92 903.57,6172.69 901.71,6176.17 899.21,6179.21 584.21,6494.21 581.17,6496.71 577.69,6498.57 573.92,6499.71 570,6500.1 20.1,6500.1 20.1,8544.9 5764.9,8544.9
GND on GND Plane (split plane): 5764.9,20.1 20.1,20.1 20.1,8544.9 5764.9,8544.9

## Other copper
PWR Plane (plane layer: these items are gaps in the copper):
  lines w40: -5,6480 570,6480 885,6165 885,1230 ; 885,0 885,1230 ; 5785,5800 2675,5800 2230,5355 2230,2575 885,1230

## Text inside footprints (layer, text, board x,y; h text height)
_U_1_U_4-20mA1: Mechanical 7 "Default Padstyle: RX86Y86D0T" at 699.58,4855 h50 r270; Mechanical 7 "Alt 1 Padstyle: OX60Y90D30P" at 624.58,4842.5 h50 r270; Mechanical 7 "Alt 2 Padstyle: OX90Y60D30P" at 549.58,4842.5 h50 r270; Mechanical 7 "0.086in/2.184mm" at 1039.58,4309 h25 r270; Mechanical 7 "0.155in/3.937mm" at 1039.58,4209 h25 r270; Mechanical 7 "0.22in/5.588mm" at 779.58,4592.5 h25 r270; Mechanical 7 "0.06in/1.524mm" at 879.58,4672.5 h25 r270
_U_1_U_4-20mA2: Mechanical 7 "0.06in/1.524mm" at 792.5,6007.5 h25 r270; Mechanical 7 "0.22in/5.588mm" at 692.5,5927.5 h25 r270; Mechanical 7 "0.155in/3.937mm" at 952.5,5544 h25 r270; Mechanical 7 "0.086in/2.184mm" at 952.5,5644 h25 r270; Mechanical 7 "Alt 2 Padstyle: OX90Y60D30P" at 462.5,6177.5 h50 r270; Mechanical 7 "Alt 1 Padstyle: OX60Y90D30P" at 537.5,6177.5 h50 r270; Mechanical 7 "Default Padstyle: RX86Y86D0T" at 612.5,6190 h50 r270
_U_1_U_4-20mA3: Mechanical 7 "Default Padstyle: RX86Y86D0T" at 704.58,5538.49 h50 r270; Mechanical 7 "Alt 1 Padstyle: OX60Y90D30P" at 629.58,5525.99 h50 r270; Mechanical 7 "Alt 2 Padstyle: OX90Y60D30P" at 554.58,5525.99 h50 r270; Mechanical 7 "0.086in/2.184mm" at 1044.58,4992.49 h25 r270; Mechanical 7 "0.155in/3.937mm" at 1044.58,4892.49 h25 r270; Mechanical 7 "0.22in/5.588mm" at 784.58,5275.99 h25 r270; Mechanical 7 "0.06in/1.524mm" at 884.58,5355.99 h25 r270
_U_1_U_4-20mA4: Mechanical 7 "Default Padstyle: RX86Y86D0T" at 702.5,2975.98 h50 r270; Mechanical 7 "Alt 1 Padstyle: OX60Y90D30P" at 627.5,2963.48 h50 r270; Mechanical 7 "Alt 2 Padstyle: OX90Y60D30P" at 552.5,2963.48 h50 r270; Mechanical 7 "0.086in/2.184mm" at 1042.5,2429.98 h25 r270; Mechanical 7 "0.155in/3.937mm" at 1042.5,2329.98 h25 r270; Mechanical 7 "0.22in/5.588mm" at 782.5,2713.48 h25 r270; Mechanical 7 "0.06in/1.524mm" at 882.5,2793.48 h25 r270
_U_1_U_4-20mA5: Mechanical 7 "Alt 1 Padstyle: OX60Y90D30P" at 649.58,3556.49 h50 r270; Mechanical 7 "Default Padstyle: RX86Y86D0T" at 724.58,3568.99 h50 r270; Mechanical 7 "Alt 2 Padstyle: OX90Y60D30P" at 574.58,3556.49 h50 r270; Mechanical 7 "0.086in/2.184mm" at 1064.58,3022.99 h25 r270; Mechanical 7 "0.155in/3.937mm" at 1064.58,2922.99 h25 r270; Mechanical 7 "0.22in/5.588mm" at 804.58,3306.49 h25 r270; Mechanical 7 "0.06in/1.524mm" at 904.58,3386.49 h25 r270
_U_1_U_4-20mA6: Mechanical 7 "Alt 1 Padstyle: OX60Y90D30P" at 632.5,4212.5 h50 r270; Mechanical 7 "Default Padstyle: RX86Y86D0T" at 707.5,4225 h50 r270; Mechanical 7 "Alt 2 Padstyle: OX90Y60D30P" at 557.5,4212.5 h50 r270; Mechanical 7 "0.086in/2.184mm" at 1047.5,3679 h25 r270; Mechanical 7 "0.155in/3.937mm" at 1047.5,3579 h25 r270; Mechanical 7 "0.22in/5.588mm" at 787.5,3962.5 h25 r270; Mechanical 7 "0.06in/1.524mm" at 887.5,4042.5 h25 r270
CR5: Mechanical 7 "Alt 2 Padstyle: OX90Y60D30P" at 5474.5,8447.5 h50 r180; Mechanical 7 "Default Padstyle: RX86Y86D0T" at 5487,8297.5 h50 r180; Mechanical 7 "Alt 1 Padstyle: OX60Y90D30P" at 5474.5,8372.5 h50 r180; Mechanical 7 "0.086in/2.184mm" at 4941,7957.5 h25 r180; Mechanical 7 "0.155in/3.937mm" at 4841,7957.5 h25 r180; Mechanical 7 "0.22in/5.588mm" at 5224.5,8217.5 h25 r180; Mechanical 7 "0.06in/1.524mm" at 5304.5,8117.5 h25 r180
CR8: Mechanical 7 "Default Padstyle: RX86Y126D0T" at 3662.06,5182 h50; Mechanical 7 "Alt 1 Padstyle: OX60Y90D30P" at 3687.06,5107 h50; Mechanical 7 "Alt 2 Padstyle: OX90Y60D30P" at 3687.06,5032 h50; Mechanical 7 "0.126in/3.2mm" at 4270.56,5567.5 h25; Mechanical 7 "0.246in/6.248mm" at 4370.56,5567.5 h25; Mechanical 7 "0.32in/8.128mm" at 3937.06,5262 h25; Mechanical 7 "0.06in/1.524mm" at 3807.06,5362 h25
U2: Top 3D Body "ANTENNA" at 1668.6,1195.39 h70 r90
U8: Top 3D Body "TAB" at 812.56,7483.75 h25 r270; Mechanical 7 "Alt 2 Padstyle: OX90Y60D30P" at 312.06,7802.5 h50 r270; Mechanical 7 "Default Padstyle: EX45Y45D35P" at 492.06,7827.5 h50 r270; Mechanical 7 "Pin 1 Padstyle: EX45Y45D0T" at 432.06,7790 h50 r270; Mechanical 7 "Alt 1 Padstyle: OX60Y90D30P" at 372.06,7802.5 h50 r270
U9: Top 3D Body "TAB" at 815.38,6743.75 h25 r270; Mechanical 7 "Default Padstyle: EX45Y45D35P" at 494.88,7087.5 h50 r270; Mechanical 7 "Pin 1 Padstyle: EX45Y45D0T" at 434.88,7050 h50 r270; Mechanical 7 "Alt 1 Padstyle: OX60Y90D30P" at 374.88,7062.5 h50 r270; Mechanical 7 "Alt 2 Padstyle: OX90Y60D30P" at 314.88,7062.5 h50 r270